# Altium PCB NURIP.PcbDoc (part 13 of 14) (continued)
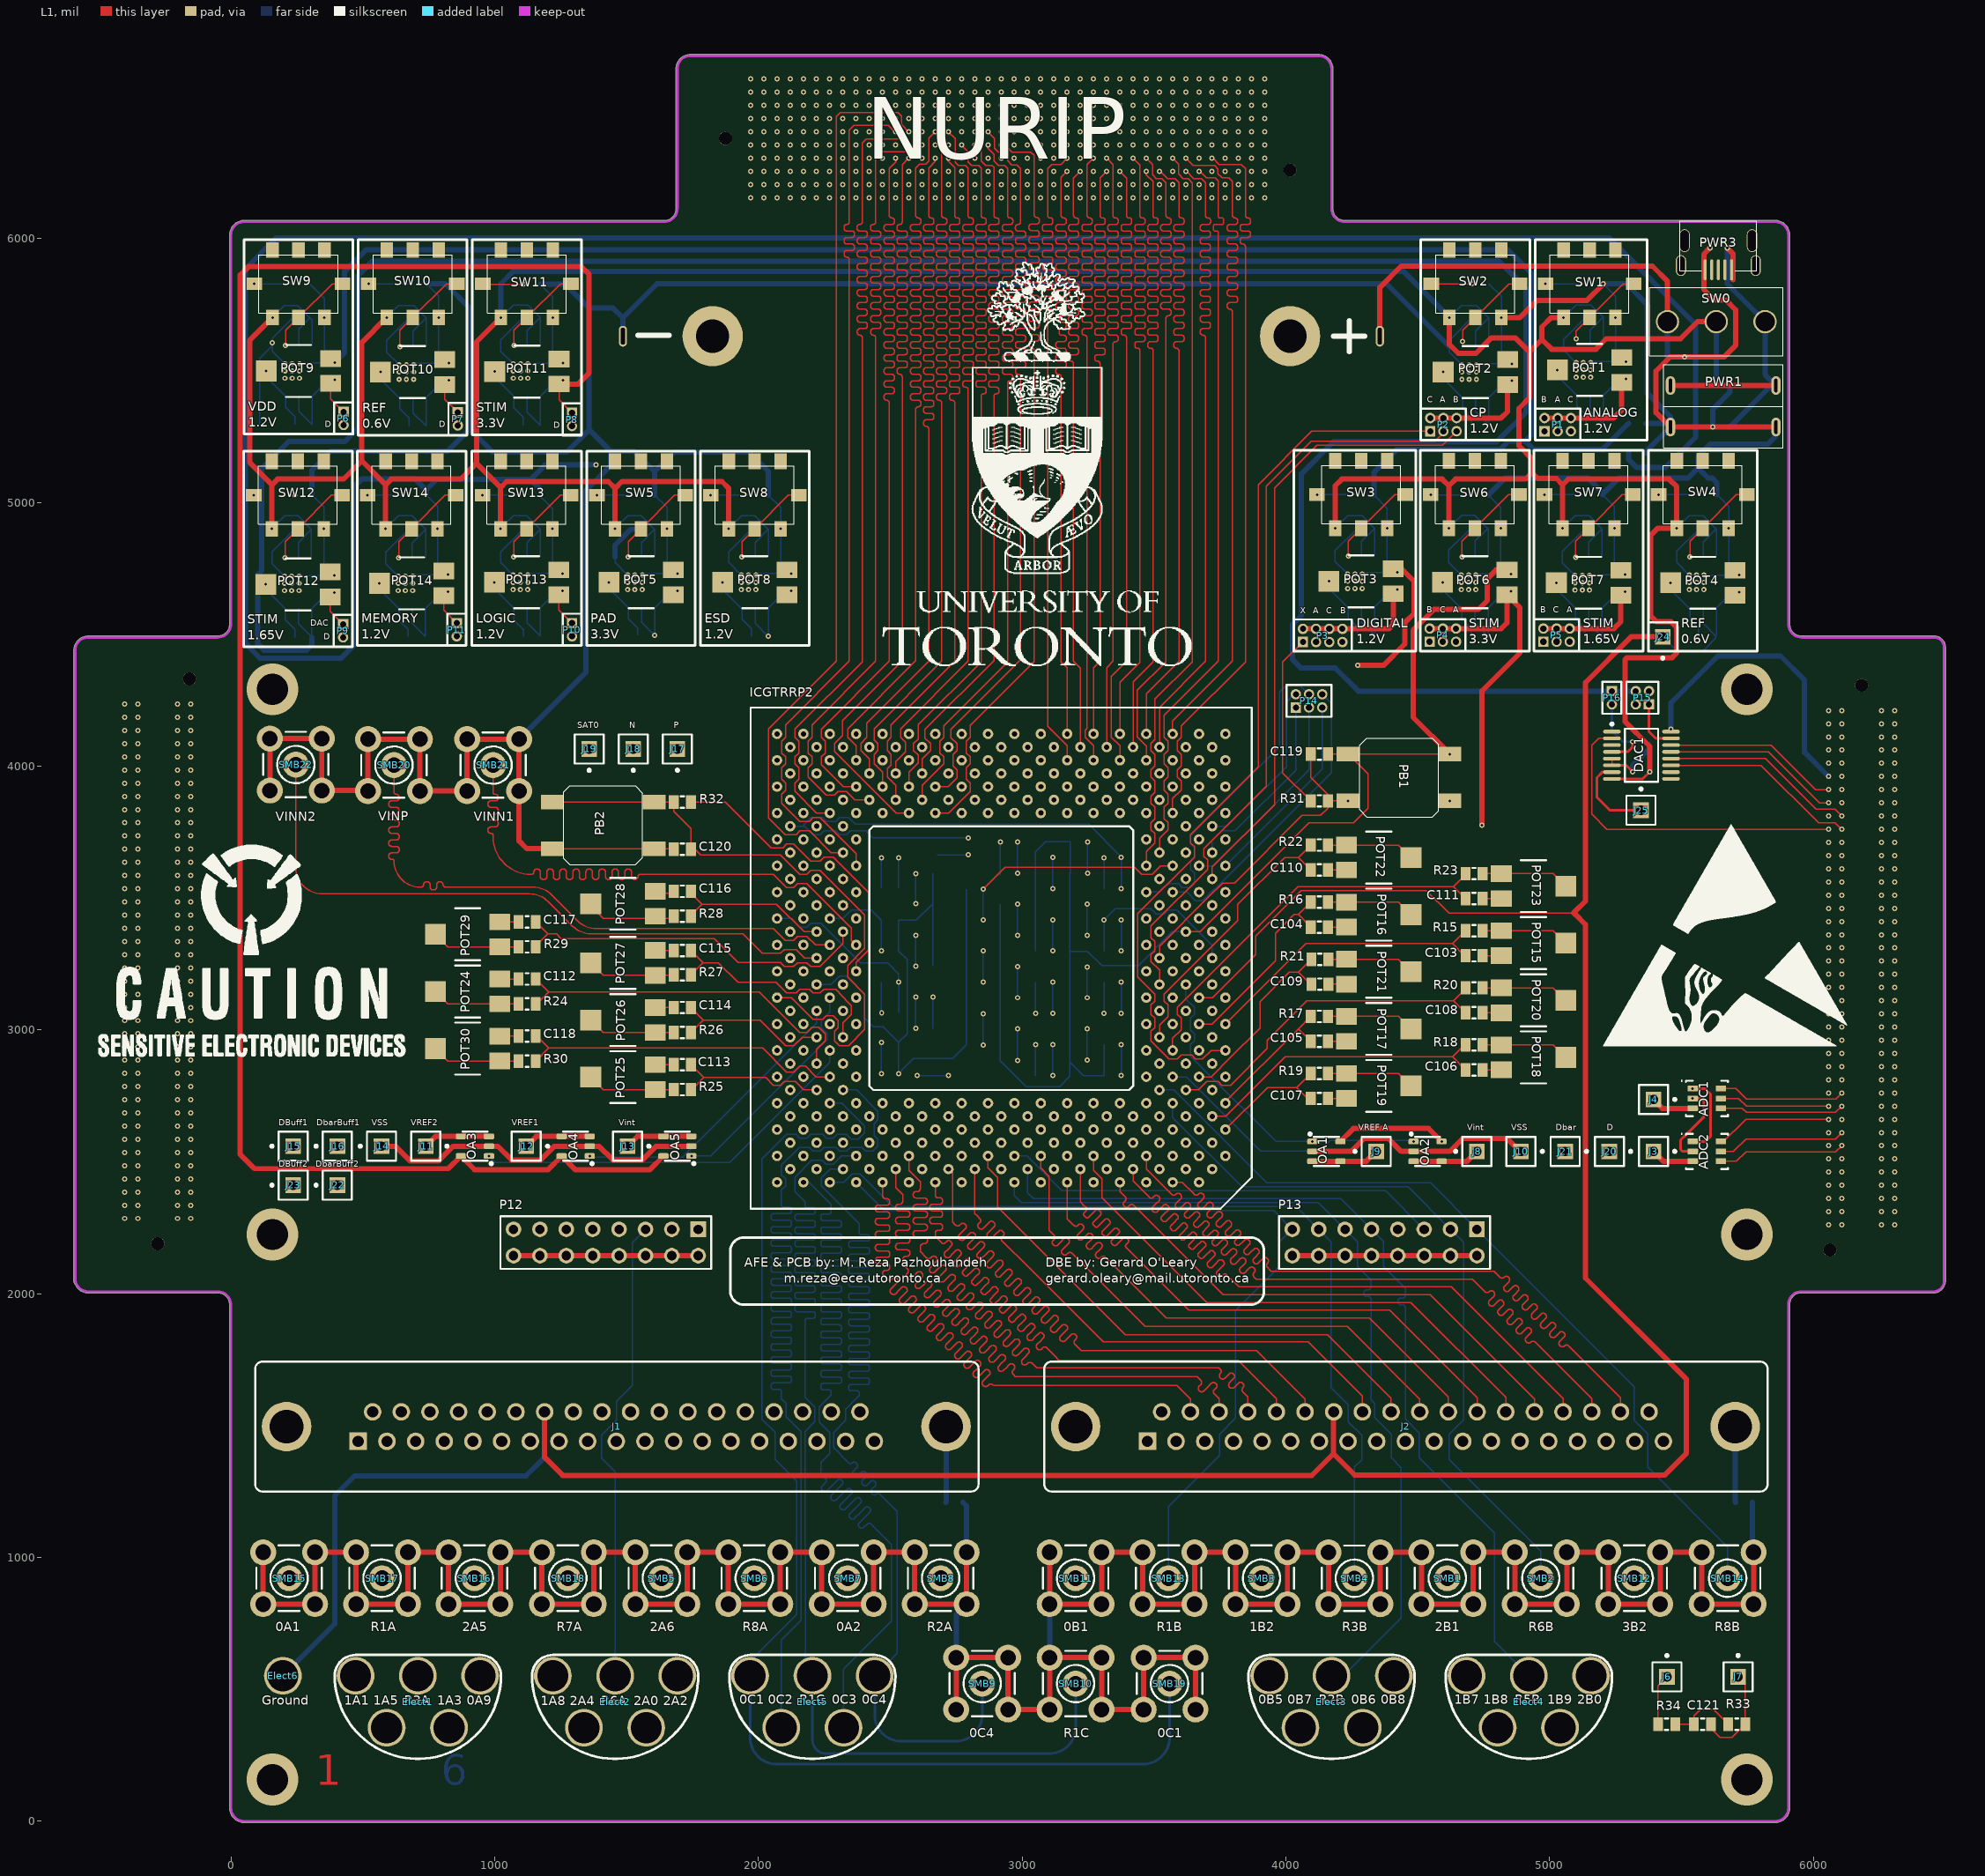
[diagram p0: L1 view]
## Nets (pads, with @x,y where several pads share a name; then routed paths per layer and width w, separated by ;. In a path a pad name is that pad's centre, name@x,y a point inside that pad or via, vN(x,y) a via of type N, cw(c..) or ccw(c..) an arc to the next point about the centre after c; other vN are vias at no path point) (continued)
SH1_WR0_A: FMC3.G12 ICGTRRP2.G35 | length 2694.9
  L4 w5: v1(-202.56,2835.2) -176.42,2809.06 18.26,2809.06 ccw(c18.26,2814.95) 24.15,2814.95 cw(c32.79,2814.95) 32.79,2823.59 40.2,2823.59 cw(c40.2,2814.95) 48.84,2814.95 48.84,2801.95 ccw(c57.48,2801.95) 57.48,2793.31 64.88,2793.31 ccw(c64.88,2801.95) 73.52,2801.95 73.52,2814.95 cw(c82.16,2814.95) 82.16,2823.59 89.57,2823.59 cw(c89.57,2814.95) 98.21,2814.95 98.21,2801.95 ccw(c106.85,2801.95) 106.85,2793.31 114.25,2793.31 ccw(c114.25,2801.95) 122.89,2801.95 122.89,2816.16 cw(c131.53,2816.16) 131.53,2824.8 138.94,2824.8 cw(c138.94,2816.16) 147.58,2816.16 147.58,2801.95 ccw(c156.22,2801.95) 156.22,2793.31 163.62,2793.31 ccw(c163.62,2801.95) 172.26,2801.95 172.26,2816.16 cw(c180.9,2816.16) 180.9,2824.8 188.31,2824.8 cw(c188.31,2816.16) 196.95,2816.16 196.95,2801.95 ccw(c205.59,2801.95) 205.59,2793.31 212.99,2793.31 ccw(c212.99,2801.95) 221.63,2801.95 221.63,2816.16 cw(c230.27,2816.16) 230.27,2824.8 237.68,2824.8 cw(c237.68,2816.16) 246.32,2816.16 246.32,2801.95 ccw(c254.96,2801.95) 254.96,2793.31 262.36,2793.31 ccw(c262.36,2801.95) 271,2801.95 271,2816.16 cw(c279.64,2816.16) 279.64,2824.8 287.05,2824.8 cw(c287.05,2816.16) 295.69,2816.16 295.69,2801.95 ccw(c304.33,2801.95) 304.33,2793.31 311.73,2793.31 ccw(c311.73,2801.95) 320.37,2801.95 320.37,2816.16 cw(c329.01,2816.16) 329.01,2824.8 336.42,2824.8 cw(c336.42,2816.16) 345.06,2816.16 345.06,2801.95 ccw(c353.7,2801.95) 353.7,2793.31 361.1,2793.31 ccw(c361.1,2801.95) 369.74,2801.95 369.74,2816.16 cw(c378.38,2816.16) 378.38,2824.8 385.79,2824.8 cw(c385.79,2816.16) 394.43,2816.16 394.43,2801.95 ccw(c403.07,2801.95) 403.07,2793.31 410.47,2793.31 ccw(c410.47,2801.95) 419.11,2801.95 cw(c426.22,2801.95) 426.22,2809.06 1858.27,2809.06 1945.12,2722.2 ICGTRRP2.G35@2070.71,2722.2
SH1_WR0_B: FMC3.G15 ICGTRRP2.J35 | length 2700.3
  L4 w5: v1(-202.56,2985.2) -177.99,2960.63 18.28,2960.63 ccw(c18.28,2966.5) 24.15,2966.5 cw(c34.03,2966.5) 34.03,2976.38 38.96,2976.38 cw(c38.96,2966.5) 48.84,2966.5 48.84,2954.89 ccw(c58.71,2954.89) 58.71,2945.02 63.65,2945.02 ccw(c63.65,2954.89) 73.52,2954.89 73.52,2966.37 cw(c83.4,2966.37) 83.4,2976.24 88.33,2976.24 cw(c88.33,2966.37) 98.21,2966.37 98.21,2954.89 ccw(c108.08,2954.89) 108.08,2945.02 113.02,2945.02 ccw(c113.02,2954.89) 122.89,2954.89 122.89,2966.37 cw(c132.77,2966.37) 132.77,2976.24 137.7,2976.24 cw(c137.7,2966.37) 147.58,2966.37 147.58,2954.89 ccw(c157.45,2954.89) 157.45,2945.02 162.39,2945.02 ccw(c162.39,2954.89) 172.26,2954.89 172.26,2966.37 cw(c182.14,2966.37) 182.14,2976.24 187.07,2976.24 cw(c187.07,2966.37) 196.95,2966.37 196.95,2954.89 ccw(c206.82,2954.89) 206.82,2945.02 211.76,2945.02 ccw(c211.76,2954.89) 221.63,2954.89 221.63,2966.37 cw(c231.51,2966.37) 231.51,2976.24 236.44,2976.24 cw(c236.44,2966.37) 246.32,2966.37 246.32,2954.89 ccw(c256.19,2954.89) 256.19,2945.02 261.13,2945.02 ccw(c261.13,2954.89) 271,2954.89 271,2966.37 cw(c280.88,2966.37) 280.88,2976.24 285.81,2976.24 cw(c285.81,2966.37) 295.69,2966.37 295.69,2954.89 ccw(c305.56,2954.89) 305.56,2945.02 310.5,2945.02 ccw(c310.5,2954.89) 320.37,2954.89 320.37,2966.37 cw(c330.25,2966.37) 330.25,2976.24 335.18,2976.24 cw(c335.18,2966.37) 345.06,2966.37 345.06,2954.89 ccw(c354.93,2954.89) 354.93,2945.02 359.87,2945.02 ccw(c359.87,2954.89) 369.74,2954.89 369.74,2966.37 cw(c379.62,2966.37) 379.62,2976.24 384.55,2976.24 cw(c384.55,2966.37) 394.43,2966.37 394.43,2954.89 ccw(c404.3,2954.89) 404.3,2945.02 409.24,2945.02 ccw(c409.24,2954.89) 419.11,2954.76 ; ICGTRRP2.J35@2070.71,2822.2 1990.79,2822.2 1852.36,2960.63 424.99,2960.63 ccw(c424.99,2954.76) 419.11,2954.88 ; 419.11,2954.76 ccw(c409.24,2954.89) 419.11,2954.88 ; 419.11,2954.76 cw(c424.99,2954.76) 419.11,2954.88 ; 419.11,2954.76 419.11,2954.88
SPI_CLK_D: FMC3.G28 ICGTRRP2.V34 | length 2709.5
  L4 w5: v1(-202.56,3635.2) -175.06,3607.7 -107.7,3607.7 -98.43,3598.43 17.05,3598.43 ccw(c17.05,3605.53) 24.15,3605.53 cw(c32.79,3605.53) 32.79,3614.17 40.2,3614.17 cw(c40.2,3605.53) 48.84,3605.53 48.84,3591.72 ccw(c57.48,3591.72) 57.48,3583.08 64.88,3583.08 ccw(c64.88,3591.72) 73.52,3591.72 73.52,3605.13 cw(c82.16,3605.13) 82.16,3613.77 89.57,3613.77 cw(c89.57,3605.13) 98.21,3605.13 98.21,3591.72 ccw(c106.85,3591.72) 106.85,3583.08 114.25,3583.08 ccw(c114.25,3591.72) 122.89,3591.72 122.89,3605.13 cw(c131.53,3605.13) 131.53,3613.77 138.94,3613.77 cw(c138.94,3605.13) 147.58,3605.13 147.58,3591.72 ccw(c156.22,3591.72) 156.22,3583.08 163.62,3583.08 ccw(c163.62,3591.72) 172.26,3591.72 172.26,3605.13 cw(c180.9,3605.13) 180.9,3613.77 188.31,3613.77 cw(c188.31,3605.13) 196.95,3605.13 196.95,3591.72 ccw(c205.59,3591.72) 205.59,3583.08 212.99,3583.08 ccw(c212.99,3591.72) 221.63,3591.72 221.63,3605.13 cw(c230.27,3605.13) 230.27,3613.77 237.68,3613.77 cw(c237.68,3605.13) 246.32,3605.13 246.32,3591.72 ccw(c254.96,3591.72) 254.96,3583.08 262.36,3583.08 ccw(c262.36,3591.72) 271,3591.36 ; ICGTRRP2.V34@2120.71,3272.2 2108.56,3284.36 2099.22,3275.02 2030.1,3275.02 1706.69,3598.43 278.11,3598.43 ccw(c278.11,3591.32) 271.01,3591.68 ; 271,3591.36 ccw(c262.36,3591.72) 271,3591.68 ; 271,3591.36 cw(c278.11,3591.32) 271.01,3591.68 ; 271,3591.36 271,3591.68
SPI_DATA_D: FMC3.H26 ICGTRRP2.U35 | length 2700.3
  L4 w5: v1(-152.56,3535.2) -137.05,3519.69 19.98,3519.69 ccw(c19.98,3523.86) 24.15,3523.86 cw(c32.79,3523.86) 32.79,3532.5 40.2,3532.5 cw(c40.2,3523.86) 48.84,3523.86 48.84,3512.71 ccw(c57.48,3512.71) 57.48,3504.07 64.88,3504.07 ccw(c64.88,3512.71) 73.52,3512.71 73.52,3523.73 cw(c82.16,3523.73) 82.16,3532.37 89.57,3532.37 cw(c89.57,3523.73) 98.21,3523.73 98.21,3512.71 ccw(c106.85,3512.71) 106.85,3504.07 114.25,3504.07 ccw(c114.25,3512.71) 122.89,3512.71 122.89,3523.73 cw(c131.53,3523.73) 131.53,3532.37 138.94,3532.37 cw(c138.94,3523.73) 147.58,3523.73 147.58,3512.71 ccw(c156.22,3512.71) 156.22,3504.07 163.62,3504.07 ccw(c163.62,3512.71) 172.26,3512.71 172.26,3523.73 cw(c180.9,3523.73) 180.9,3532.37 188.31,3532.37 cw(c188.31,3523.73) 196.95,3523.73 196.95,3512.71 ccw(c205.59,3512.71) 205.59,3504.07 212.99,3504.07 ccw(c212.99,3512.71) 221.63,3512.71 221.63,3523.73 cw(c230.27,3523.73) 230.27,3532.37 237.68,3532.37 cw(c237.68,3523.73) 246.32,3523.73 246.32,3512.71 ccw(c254.96,3512.71) 254.96,3504.07 262.36,3504.07 ccw(c262.36,3512.71) 271,3512.71 271,3526.66 cw(c279.64,3526.66) 279.64,3535.3 287.05,3535.3 cw(c287.05,3526.66) 295.69,3526.66 295.69,3512.71 ccw(c304.33,3512.71) 304.33,3504.07 311.73,3504.07 ccw(c311.73,3512.71) 320.37,3512.71 320.37,3526.66 cw(c329.01,3526.66) 329.01,3535.3 336.42,3535.3 cw(c336.42,3526.66) 345.06,3526.66 345.06,3512.71 ccw(c353.7,3512.71) 353.7,3504.07 361.1,3504.07 ccw(c361.1,3512.71) 369.74,3512.71 369.74,3526.66 cw(c378.38,3526.66) 378.38,3535.3 385.79,3535.3 cw(c385.79,3526.66) 394.43,3526.66 394.43,3512.71 ccw(c403.07,3512.71) 403.07,3504.07 410.47,3504.07 ccw(c410.47,3512.71) 419.11,3512.59 ; ICGTRRP2.U35@2070.71,3222.2 2017.95,3222.2 1720.47,3519.69 426.22,3519.69 ccw(c426.22,3512.58) 419.11,3512.7 ; 419.11,3512.59 ccw(c410.47,3512.71) 419.11,3512.7 ; 419.11,3512.58 cw(c426.22,3512.58) 419.11,3512.7 ; 419.11,3512.59 419.11,3512.7
SPI_LOAD_D: FMC3.G27 ICGTRRP2.U33 | length 2701
  L4 w5: v1(-202.56,3585.2) -175.06,3557.7 17.39,3557.7 ccw(c17.39,3564.46) 24.15,3564.46 cw(c32.79,3564.46) 32.79,3573.1 40.2,3573.1 cw(c40.2,3564.46) 48.84,3564.46 48.84,3551.12 ccw(c57.48,3551.12) 57.48,3542.48 64.88,3542.48 ccw(c64.88,3551.12) 73.52,3551.12 73.52,3563.92 cw(c82.16,3563.92) 82.16,3572.56 89.57,3572.56 cw(c89.57,3563.92) 98.21,3563.92 98.21,3551.12 ccw(c106.85,3551.12) 106.85,3542.48 114.25,3542.48 ccw(c114.25,3551.12) 122.89,3551.12 122.89,3563.92 cw(c131.53,3563.92) 131.53,3572.56 138.94,3572.56 cw(c138.94,3563.92) 147.58,3563.92 147.58,3551.12 ccw(c156.22,3551.12) 156.22,3542.48 163.62,3542.48 ccw(c163.62,3551.12) 172.26,3551.12 172.26,3563.92 cw(c180.9,3563.92) 180.9,3572.56 188.31,3572.56 cw(c188.31,3563.92) 196.95,3563.92 196.95,3551.12 ccw(c205.59,3551.12) 205.59,3542.48 212.99,3542.48 ccw(c212.99,3551.12) 221.63,3551.12 ; 221.63,3550.59 cw(c228.74,3550.59) 228.74,3557.7 1714.84,3557.7 2012.51,3260.02 2078.56,3260.02 2116.38,3222.2 ICGTRRP2.U33@2170.71,3222.2 ; 221.63,3550.66 221.63,3551.06
STIM_CLK: FMC2.G18 ICGTRRP2.W5 | length 2850.2
  L4 w5: ICGTRRP2.W5@3570.71,3322.2 3570.71,3367.72 3607.38,3404.39 3643.01,3404.39 3657.38,3390.02 3684.04,3390.02 3698.41,3404.39 3743.01,3404.39 3760.19,3387.2 3856.89,3387.2 3872.05,3372.05 5580.69,3372.05 ccw(c5580.69,3376.49) 5585.14,3376.49 cw(c5593.78,3376.49) 5593.78,3385.13 5601.18,3385.13 cw(c5601.18,3376.49) 5609.82,3376.49 5609.82,3366.57 ccw(c5618.46,3366.57) 5618.46,3357.93 5625.87,3357.93 ccw(c5625.87,3366.57) 5634.51,3366.57 5634.51,3376.49 cw(c5643.15,3376.49) 5643.15,3385.13 5650.55,3385.13 cw(c5650.55,3376.49) 5659.19,3376.49 5659.19,3366.57 ccw(c5667.83,3366.57) 5667.83,3357.93 5675.24,3357.93 ccw(c5675.24,3366.57) 5683.88,3366.57 5683.88,3376.49 cw(c5692.52,3376.49) 5692.52,3385.13 5699.92,3385.13 cw(c5699.92,3376.49) 5708.56,3376.49 5708.56,3366.57 ccw(c5717.2,3366.57) 5717.2,3357.93 5724.61,3357.93 ccw(c5724.61,3366.57) 5733.25,3366.57 5733.25,3376.49 cw(c5741.89,3376.49) 5741.89,3385.13 5749.29,3385.13 cw(c5749.29,3376.49) 5757.93,3376.49 5757.93,3366.57 ccw(c5766.57,3366.57) 5766.57,3357.93 5773.98,3357.93 ccw(c5773.98,3366.57) 5782.62,3366.57 5782.62,3376.49 cw(c5791.26,3376.49) 5791.26,3385.13 5798.66,3385.13 cw(c5798.66,3376.49) 5807.3,3376.49 5807.3,3366.57 ccw(c5815.94,3366.57) 5815.94,3357.93 5823.35,3357.93 ccw(c5823.35,3366.57) 5831.99,3366.57 5831.99,3376.49 cw(c5840.63,3376.49) 5840.63,3385.13 5848.03,3385.13 cw(c5848.03,3376.49) 5856.67,3376.49 ccw(c5861.12,3376.49) 5861.12,3372.05 6013.78,3372.05 6025.1,3383.37 6085.57,3383.37 v1(6108.07,3360.87)
STIM_DATA_D: FMC3.H10 ICGTRRP2.E35 | length 2700.2
  L4 w5: v1(-152.56,2735.2) 24.15,2735.2 cw(c34.03,2735.2) 34.03,2745.07 38.96,2745.07 cw(c38.96,2735.2) 48.84,2735.2 48.84,2729.41 ccw(c58.71,2729.41) 58.71,2719.54 63.65,2719.54 ccw(c63.65,2729.41) 73.52,2729.41 73.52,2735.2 cw(c83.4,2735.2) 83.4,2745.07 88.33,2745.07 cw(c88.33,2735.2) 98.21,2735.2 98.21,2729.41 ccw(c108.08,2729.41) 108.08,2719.54 113.02,2719.54 ccw(c113.02,2729.41) 122.89,2729.41 122.89,2735.2 cw(c132.77,2735.2) 132.77,2745.07 137.7,2745.07 cw(c137.7,2735.2) 147.58,2735.2 147.58,2729.41 ccw(c157.45,2729.41) 157.45,2719.54 162.39,2719.54 ccw(c162.39,2729.41) 172.26,2729.41 172.26,2735.2 cw(c182.14,2735.2) 182.14,2745.07 187.07,2745.07 cw(c187.07,2735.2) 196.95,2735.2 196.95,2729.41 ccw(c206.82,2729.41) 206.82,2719.54 211.76,2719.54 ccw(c211.76,2729.41) 221.63,2729.41 221.63,2735.2 cw(c231.51,2735.2) 231.51,2745.07 236.44,2745.07 cw(c236.44,2735.2) 246.32,2735.2 246.32,2729.41 ccw(c256.19,2729.41) 256.19,2719.54 261.13,2719.54 ccw(c261.13,2729.41) 271,2729.41 271,2735.2 cw(c280.88,2735.2) 280.88,2745.07 285.81,2745.07 cw(c285.81,2735.2) 295.69,2735.2 295.69,2729.41 ccw(c305.56,2729.41) 305.56,2719.54 310.5,2719.54 ccw(c310.5,2729.41) 320.37,2729.41 320.37,2735.2 cw(c330.25,2735.2) 330.25,2745.07 335.18,2745.07 cw(c335.18,2735.2) 345.06,2735.2 345.06,2729.41 ccw(c354.93,2729.41) 354.93,2719.54 359.87,2719.54 ccw(c359.87,2729.41) 369.74,2729.41 369.74,2735.2 cw(c379.62,2735.2) 379.62,2745.07 384.55,2745.07 cw(c384.55,2735.2) 394.43,2735.2 394.43,2729.41 ccw(c404.3,2729.41) 404.3,2719.54 409.24,2719.54 ccw(c409.24,2729.41) 419.11,2729.41 419.11,2735.2 cw(c428.99,2735.2) 428.99,2745.07 433.92,2745.07 cw(c433.92,2735.2) 443.8,2735.2 443.8,2729.41 ccw(c453.67,2729.41) 453.67,2719.54 458.61,2719.54 ccw(c458.61,2729.41) 468.48,2729.41 468.48,2735.2 cw(c478.36,2735.2) 478.36,2745.07 483.29,2745.07 cw(c483.29,2735.2) 493.17,2735.2 493.17,2729.41 ccw(c503.04,2729.41) 503.04,2719.54 507.98,2719.54 ccw(c507.98,2729.41) 517.85,2729.41 517.85,2740.98 cw(c527.73,2740.98) 527.73,2750.86 532.66,2750.86 cw(c532.66,2740.98) 542.54,2740.98 542.54,2729.41 ccw(c552.41,2729.41) 552.41,2719.54 557.35,2719.54 ccw(c557.35,2729.41) 567.22,2729.41 567.22,2740.98 cw(c577.1,2740.98) 577.1,2750.86 582.03,2750.86 cw(c582.03,2740.98) 591.91,2740.98 591.91,2729.41 ccw(c601.78,2729.41) 601.78,2719.54 606.72,2719.54 ccw(c606.72,2729.41) 616.59,2729.32 ; ICGTRRP2.E35@2070.71,2622.2 1976.22,2622.2 1863.23,2735.2 622.47,2735.2 ccw(c622.47,2729.32) 616.59,2729.41 ; 616.59,2729.32 cw(c622.47,2729.32) 616.59,2729.41 ; 616.59,2729.32 ccw(c606.72,2729.41) 616.59,2729.41 ; 616.59,2729.32 616.59,2729.41
STIM_GND: C24.1 C25.1 LDO7.1 LDO7.2 P5.2 P5.4 P5.6 POT7.3 | length 753.7
  L1 w20: P5.2@4976.38,4521.65 P5.4@5026.38,4521.65 P5.6@5076.38,4521.65 5244.09,4521.65 5269.69,4547.24 POT7.3@5269.69,4647.64
  L6 w5: LDO7.2@5149.02,4598.43 5149.02,4540.35 5199.02,4490.35 5199.02,4598.43 5262.01,4661.42 v1(5285.43,4661.42)
STIM_GND_A: C59.1 C60.1 ICGTRRP2.R1 P5.5 | length 3095.9
  L2 w5: ICGTRRP2.R1@3770.71,3122.2 3854.33,3205.83 3854.33,3541.34 4655.51,4342.52 4947.24,4342.52 P5.5@5076.38,4471.65
  L3 w5: v1(2982.28,3240.16) 3002.81,3260.69 3255.38,3260.69 3275.91,3240.16 3388.39,3240.16 3438.52,3190.02 3493.01,3190.02 3507.38,3204.39 3534.04,3204.39 3548.41,3190.02 3593.01,3190.02 3607.38,3204.39 3634.04,3204.39 3648.41,3190.02 3693.01,3190.02 3707.38,3204.39 3734.04,3204.39 3752.89,3185.54 3752.89,3140.02 ICGTRRP2.R1@3770.71,3122.2
  L6 w5: v1(2982.28,3122.05) v1(2982.28,3240.16)
STIM_GND_B: C61.1 C62.1 ICGTRRP2.W1 P5.1 | length 2818.7
  L2 w5: ICGTRRP2.W1@3770.71,3322.2 3770.71,3357.83 3802.89,3390.02 3802.89,3637.54 4562.99,4397.64 4902.36,4397.64 P5.1@4976.38,4471.65
  L3 w5: v1(3116.14,3535.43) 3116.14,3521.65 3283.41,3354.39 3484.04,3354.39 3498.41,3340.02 3541.57,3340.02 3605.94,3404.39 3634.04,3404.39 3655.51,3382.92 3685.91,3382.92 3707.38,3404.39 3741.28,3404.39 3770.71,3374.96 ICGTRRP2.W1@3770.71,3322.2
  L6 w5: v1(3116.14,3535.43) v1(3116.14,3653.54)
STIM_GND_C: C63.1 C64.1 ICGTRRP2.U3 P5.3 | length 2985.2
  L2 w5: ICGTRRP2.U3@3670.71,3222.2 3725.19,3222.2 3757.38,3190.02 3798.29,3190.02 3832.68,3224.41 3832.68,3576.77 4633.86,4377.95 4939.73,4377.95 5026.38,4464.61 P5.3@5026.38,4471.65
  L3 w5: v1(2982.28,3358.27) 3064.86,3275.69 3450.49,3275.69 3451.16,3275.02 3472.38,3275.02 3507.38,3240.02 3534.04,3240.02 3548.41,3254.39 3588.52,3254.39 3602.89,3240.02 3652.89,3240.02 ICGTRRP2.U3@3670.71,3222.2
  L6 w5: v1(2982.28,3358.27) v1(2982.28,3476.38)
STIM_GND_D: C85.1 C86.1 ICGTRRP2.U31 P9.2 | length 3065
  L2 w5: P9.2@425.2,4488.19 574.8,4488.19 687.01,4600.39 972.44,4600.39 1281.5,4291.34 1281.5,4049.21 1326.77,4003.94 1443.46,4003.94 2225.19,3222.2 ICGTRRP2.U31@2270.71,3222.2
  L5 w5: ICGTRRP2.U31@2270.71,3222.2 2288.52,3240.02 2334.04,3240.02 2348.41,3254.39 2584.19,3254.39 v1(2596.46,3242.13)
  L6 w5: v1(2596.46,3242.13) v1(2596.46,3358.27)
STIM_IN: FMC2.G12 ICGTRRP2.AB6 | length 2852.2
  L4 w5: ICGTRRP2.AB6@3520.71,3472.2 3520.71,3520.71 3654.39,3654.39 3684.04,3654.39 3698.41,3640.02 3734.04,3640.02 3757.41,3663.39 3812.99,3663.39 3822.83,3673.23 5728.61,3673.23 ccw(c5728.61,3677.87) 5733.25,3677.87 cw(c5744.36,3677.87) 5744.36,3688.98 5746.83,3688.98 cw(c5746.83,3677.87) 5757.93,3677.87 5757.93,3668.59 ccw(c5769.04,3668.59) 5769.04,3657.48 5771.51,3657.48 ccw(c5771.51,3668.59) 5782.62,3668.59 5782.62,3677.87 cw(c5793.73,3677.87) 5793.73,3688.98 5796.2,3688.98 cw(c5796.2,3677.87) 5807.3,3677.87 5807.3,3668.59 ccw(c5818.41,3668.59) 5818.41,3657.48 5820.88,3657.48 ccw(c5820.88,3668.59) 5831.99,3668.59 5831.99,3677.87 cw(c5843.1,3677.87) 5843.1,3688.98 5845.57,3688.98 cw(c5845.57,3677.87) 5856.67,3677.87 5856.67,3668.59 ccw(c5867.78,3668.59) 5867.78,3657.48 5870.25,3657.48 ccw(c5870.25,3668.59) 5881.36,3668.59 cw(c5886,3668.59) 5886,3673.23 6013.78,3673.23 6023.92,3683.37 6085.57,3683.37 v1(6108.07,3660.87)
STIM_LOAD: FMC2.G15 ICGTRRP2.AB4 | length 2853.3
  L4 w5: ICGTRRP2.AB4@3620.71,3472.2 3675.19,3472.2 3707.38,3504.39 3734.04,3504.39 3748.27,3490.16 3757.24,3490.16 3757.38,3490.02 3830.57,3490.02 3862.2,3521.65 5505.21,3521.65 cw(c5505.21,3515.78) 5511.08,3515.96 ; v1(6108.07,3510.87) 6085.57,3533.37 6025.49,3533.37 6013.78,3521.65 5887.23,3521.65 ccw(c5887.23,3515.78) 5881.36,3515.78 cw(c5871.48,3515.78) 5871.48,3505.91 5866.55,3505.91 cw(c5866.55,3515.78) 5856.67,3515.78 5856.67,3526.21 ccw(c5846.8,3526.21) 5846.8,3536.08 5841.86,3536.08 ccw(c5841.86,3526.21) 5831.99,3526.21 5831.99,3515.98 cw(c5822.11,3515.98) 5822.11,3506.1 5817.18,3506.1 cw(c5817.18,3515.98) 5807.3,3515.98 5807.3,3526.21 ccw(c5797.43,3526.21) 5797.43,3536.08 5792.49,3536.08 ccw(c5792.49,3526.21) 5782.62,3526.21 5782.62,3515.98 cw(c5772.74,3515.98) 5772.74,3506.1 5767.81,3506.1 cw(c5767.81,3515.98) 5757.93,3515.98 5757.93,3526.21 ccw(c5748.06,3526.21) 5748.06,3536.08 5743.12,3536.08 ccw(c5743.12,3526.21) 5733.25,3526.21 5733.25,3515.98 cw(c5723.37,3515.98) 5723.37,3506.1 5718.44,3506.1 cw(c5718.44,3515.98) 5708.56,3515.98 5708.56,3526.21 ccw(c5698.69,3526.21) 5698.69,3536.08 5693.75,3536.08 ccw(c5693.75,3526.21) 5683.88,3526.21 5683.88,3515.98 cw(c5674,3515.98) 5674,3506.1 5669.07,3506.1 cw(c5669.07,3515.98) 5659.19,3515.98 5659.19,3526.21 ccw(c5649.32,3526.21) 5649.32,3536.08 5644.38,3536.08 ccw(c5644.38,3526.21) 5634.51,3526.21 5634.51,3515.98 cw(c5624.63,3515.98) 5624.63,3506.1 5619.7,3506.1 cw(c5619.7,3515.98) 5609.82,3515.98 5609.82,3526.21 ccw(c5599.95,3526.21) 5599.95,3536.08 5595.01,3536.08 ccw(c5595.01,3526.21) 5585.14,3526.21 5585.14,3515.98 cw(c5575.26,3515.98) 5575.26,3506.1 5570.33,3506.1 cw(c5570.33,3515.98) 5560.45,3515.98 5560.45,3526.21 ccw(c5550.58,3526.21) 5550.58,3536.08 5545.64,3536.08 ccw(c5545.64,3526.21) 5535.77,3526.21 5535.77,3515.98 cw(c5525.89,3515.98) 5525.89,3506.1 5520.96,3506.1 cw(c5520.96,3515.98) 5511.09,3515.79 ; 5511.08,3515.79 ccw(c5505.21,3515.78) 5511.08,3515.96 ; 5511.09,3515.79 cw(c5520.96,3515.98) 5511.08,3515.96 ; 5511.08,3515.79 5511.08,3515.96
STIM_LOAD_D: FMC3.H11 ICGTRRP2.F34 | length 2700.2
  L4 w5: v1(-152.56,2785.2) -137.05,2769.68 19.83,2769.68 ccw(c19.83,2774.01) 24.15,2774.01 cw(c34.03,2774.01) 34.03,2783.89 38.96,2783.89 cw(c38.96,2774.01) 48.84,2774.01 48.84,2763.87 ccw(c58.71,2763.87) 58.71,2754 63.65,2754 ccw(c63.65,2763.87) 73.52,2763.87 73.52,2773.95 cw(c83.4,2773.95) 83.4,2783.82 88.33,2783.82 cw(c88.33,2773.95) 98.21,2773.95 98.21,2763.87 ccw(c108.08,2763.87) 108.08,2754 113.02,2754 ccw(c113.02,2763.87) 122.89,2763.87 122.89,2773.95 cw(c132.77,2773.95) 132.77,2783.82 137.7,2783.82 cw(c137.7,2773.95) 147.58,2773.95 147.58,2763.87 ccw(c157.45,2763.87) 157.45,2754 162.39,2754 ccw(c162.39,2763.87) 172.26,2763.87 172.26,2773.95 cw(c182.14,2773.95) 182.14,2783.82 187.07,2783.82 cw(c187.07,2773.95) 196.95,2773.95 196.95,2763.87 ccw(c206.82,2763.87) 206.82,2754 211.76,2754 ccw(c211.76,2763.87) 221.63,2763.87 221.63,2773.95 cw(c231.51,2773.95) 231.51,2783.82 236.44,2783.82 cw(c236.44,2773.95) 246.32,2773.95 246.32,2763.87 ccw(c256.19,2763.87) 256.19,2754 261.13,2754 ccw(c261.13,2763.87) 271,2763.87 271,2773.95 cw(c280.88,2773.95) 280.88,2783.82 285.81,2783.82 cw(c285.81,2773.95) 295.69,2773.95 295.69,2763.87 ccw(c305.56,2763.87) 305.56,2754 310.5,2754 ccw(c310.5,2763.87) 320.37,2763.87 320.37,2773.95 cw(c330.25,2773.95) 330.25,2783.82 335.18,2783.82 cw(c335.18,2773.95) 345.06,2773.95 345.06,2763.87 ccw(c354.93,2763.87) 354.93,2754 359.87,2754 ccw(c359.87,2763.87) 369.74,2763.87 369.74,2773.95 cw(c379.62,2773.95) 379.62,2783.82 384.55,2783.82 cw(c384.55,2773.95) 394.43,2773.95 394.43,2763.87 ccw(c404.3,2763.87) 404.3,2754 409.24,2754 ccw(c409.24,2763.87) 419.11,2763.87 419.11,2773.95 cw(c428.99,2773.95) 428.99,2783.82 433.92,2783.82 cw(c433.92,2773.95) 443.8,2773.95 443.8,2763.87 ccw(c453.67,2763.87) 453.67,2754 458.61,2754 ccw(c458.61,2763.87) 468.48,2763.81 ; ICGTRRP2.F34@2120.71,2672.2 1959.69,2672.2 1862.2,2769.68 474.36,2769.68 ccw(c474.36,2763.81) 468.48,2763.87 ; 468.48,2763.81 ccw(c458.61,2763.87) 468.48,2763.87 ; 468.48,2763.81 cw(c474.36,2763.81) 468.48,2763.87 ; 468.48,2763.81 468.48,2763.87
SYSTEM_DONE: FMC1.J21 ICGTRRP2.AP18 | length 2153.2
  L5 w5: ICGTRRP2.AP18@2920.71,4072.2 2920.71,4397.09 2946.85,4423.23 2946.85,6181.54 v1(2970.24,6204.92)
TEST_MODE: FMC1.C15 ICGTRRP2.AD6 | length 3964.5
  L5 w5: v1(2670.24,6504.92) 2696.81,6531.5 3175.48,6531.5 3192.91,6514.06 3192.91,4769.69 3802.89,4159.7 3802.89,3708.41 3634.51,3540.02 3607.38,3540.02 3590.19,3557.2 3535.71,3557.2 ICGTRRP2.AD6@3520.71,3572.2
TEST_SE: FMC1.D15 ICGTRRP2.AD4 | length 3528.7
  L5 w5: v1(2670.24,6454.92) 2692.74,6432.42 2974.56,6432.42 2992.74,6414.24 2992.74,4645.69 3502.89,4135.54 3502.89,4108.87 3488.52,4094.5 3488.52,4049.91 3502.89,4035.54 3502.89,4008.87 3488.52,3994.5 3488.52,3952.42 3502.89,3938.05 3502.89,3908.87 3488.52,3894.5 3488.52,3858.87 3502.89,3844.5 3502.89,3808.87 3488.52,3794.5 3488.52,3758.87 3502.89,3744.5 3502.89,3699.91 3488.52,3685.54 3488.52,3657.15 3573.46,3572.2 ICGTRRP2.AD4@3620.71,3572.2
TEST_SI1: ICGTRRP2.AC7 P14.4 | length 1229.8
  L6 w5: ICGTRRP2.AC7@3470.71,3522.2 3522.2,3522.2 3554.39,3554.39 3593.01,3554.39 3607.38,3540.02 3638.44,3540.02 3652.89,3554.47 3652.89,3594.5 3638.52,3608.87 3638.52,3638.52 3653.54,3653.54 3653.54,3690.94 3637.8,3706.69 3637.8,3736.22 3976.38,4074.8 3976.38,4281.5 4001.97,4307.09 4053.15,4307.09 P14.4@4087.8,4272.44
TEST_SI2: ICGTRRP2.AC5 P14.6 | length 1128
  L6 w5: ICGTRRP2.AC5@3570.71,3522.2 3625.19,3522.2 3657.38,3490.02 3684.04,3490.02 3727.49,3533.46 3730.31,3533.46 4173.23,3976.38 4173.23,4237.01 P14.6@4137.8,4272.44
TEST_SI3: ICGTRRP2.AH2 P14.2 | length 668.2
  L6 w5: ICGTRRP2.AH2@3720.71,3772.2 3776.14,3772.2 4001.97,3998.03 4001.97,4243.66 4030.75,4272.44 P14.2@4037.8,4272.44
TEST_SO1: ICGTRRP2.AF2 P14.1 | length 711
  L6 w5: ICGTRRP2.AF2@3720.71,3672.2 3720.71,3717.72 3757.38,3754.39 3807.54,3754.39 4037.8,3984.65 P14.1@4037.8,4222.44
TEST_SO2: ICGTRRP2.AE3 P14.3 | length 804.9
  L6 w5: ICGTRRP2.AE3@3670.71,3622.2 3725.19,3622.2 4087.8,3984.81 P14.3@4087.8,4222.44
TEST_SO3: ICGTRRP2.AE1 P14.5 | length 752.3
  L6 w5: ICGTRRP2.AE1@3770.71,3622.2 4137.8,3989.29 P14.5@4137.8,4222.44
VDD_D: C70.1 C71.1 ICGTRRP2.U29 P6.2 R32.2 | length 4823.9
  L1 w5: R32.2@1744.09,3864.17 1874.26,3864.17 2048.41,3690.02 2093.01,3690.02 2107.38,3704.39 2134.04,3704.39 2198.41,3640.02 2234.04,3640.02 2248.41,3654.39 2284.04,3654.39 2417.89,3520.54 2417.89,3302.66 2370.71,3255.47 ICGTRRP2.U29@2370.71,3222.2
  L2 w5: P6.2@427.17,5293.31 852.36,4868.11 852.36,4787.4 1503.94,4135.83 1712.6,4135.83 1974.41,3874.02 1974.41,3830.56 2050.58,3754.39 2084.04,3754.39 2302.89,3535.54 2302.89,3499.91 2288.52,3485.54 2288.52,3458.87 2302.89,3444.5 2302.89,3399.91 2288.52,3385.54 2288.52,3358.87 2302.89,3344.5 2302.89,3299.91 2288.52,3285.54 2288.52,3258.87 2302.89,3244.5 2302.89,3199.91 2288.52,3185.54 2288.52,3158.87 2307.38,3140.02 2338.33,3140.02 2370.71,3172.4 ICGTRRP2.U29@2370.71,3222.2
  L5 w5: ICGTRRP2.U29@2370.71,3222.2 2555.35,3222.2 2596.46,3181.1 v1(2596.46,3124.02)
  L6 w5: v1(2596.46,3005.91) v1(2596.46,3124.02)
VDD_LOG: C88.1 C89.1 LDO13.1 LDO13.2 P10.1 POT13.3 | length 474.3
  L1 w5: POT13.3@1243.11,4649.61 1243.11,4592.32 P10.1@1293.31,4542.13
  L6 w5: LDO13.2@1122.44,4600.39 1122.44,4543.9 1172.44,4493.9 1172.44,4600.39 1237.4,4665.35 v1(1257.87,4665.35)
VDD_LOGIC: C97.1 C98.1 C99.1 C100.1 C101.1 C102.1 ICGTRRP2.AH34 ICGTRRP2.AJ1 ICGTRRP2.AR15 P10.2 | length 4791.3
  L2 w20: P10.2@1293.31,4492.13 1388.12,4492.13 2009.84,3870.4 2009.84,3826.95 2059.9,3776.89 2116.02,3776.89 ICGTRRP2.AH34@2120.71,3772.2
  L3 w5: ICGTRRP2.AH34@2120.71,3772.2 2175.19,3772.2 2207.38,3740.02 2238.52,3740.02 2252.89,3754.39 2284.98,3754.39 2349.35,3690.02 2428.09,3690.02 v1(2466.54,3651.57) ; v1(3375.98,3653.54) 3376.83,3654.39 3493.01,3654.39 3507.38,3640.02 3543.01,3640.02 3707.38,3804.39 3752.89,3804.39 ICGTRRP2.AJ1@3770.71,3822.2
  L5 w5: v1(2795.28,3728.35) 2795.28,3797.24 3070.71,4072.68 ICGTRRP2.AR15@3070.71,4122.2
  L6 w5: ICGTRRP2.AH34@2120.71,3772.2 2166.23,3772.2 ; C102.1@2466.54,3537.4 v1(2466.54,3651.57) ; v1(2795.28,3728.35) C100.1@2677.17,3728.35 2433.07,3728.35 2407.03,3754.39 2348.41,3754.39 2334.04,3740.02 2307.38,3740.02 2293.01,3754.39 2248.41,3754.39 2234.04,3740.02 2207.38,3740.02 2175.19,3772.2 2166.23,3772.2 ; C98.1@3375.83,3652.83 3375.83,3655.67 3251.97,3779.53 2367.87,3779.53 2343.01,3804.39 2307.38,3804.39 2293.01,3790.02 2257.38,3790.02 2243.01,3804.39 2198.41,3804.39 2166.23,3772.2 ; v1(3375.98,3535.43) v1(3375.98,3653.54)
VDD_MEM: C95.1 C96.1 LDO14.1 LDO14.2 P11.1 POT14.3 | length 466.6
  L1 w5: POT14.3@807.09,4645.67 807.09,4591.34 P11.1@856.3,4542.13
  L6 w5: LDO14.2@686.42,4596.46 686.42,4541.93 C96.1@736.22,4492.13 736.42,4492.32 736.42,4596.46 801.38,4661.42 v1(822.83,4661.42)
VDD_MEMORY: C90.1 C91.1 C92.1 C93.1 ICGTRRP2.AA3 ICGTRRP2.W35 P11.2 | length 4538.4
  L2 w20: P11.2@856.3,4492.13 856.3,4442.59 1976.68,3322.2 ICGTRRP2.W35@2070.71,3322.2
  L3 w5: v1(2467.52,3064.96) 2467.52,3070.91 2334.04,3204.39 2307.38,3204.39 2286.06,3183.07 2261.81,3183.07 2240.16,3204.72 2207.71,3204.72 2193.01,3190.02 2157.38,3190.02 2143.01,3204.39 2098.41,3204.39 2084.04,3190.02 2050.14,3190.02 2031.5,3208.66 2031.5,3282.99 ICGTRRP2.W35@2070.71,3322.2 2070.71,3276.69 2107.38,3240.02 2143.01,3240.02 2157.38,3254.39 2184.04,3254.39 2198.41,3240.02 2234.04,3240.02 2248.41,3254.39 2293.01,3254.39 2307.38,3240.02 2343.01,3240.02 2357.38,3254.39 2387.34,3254.39 2492.13,3149.61 2637.8,3149.61 2872.05,3383.86 3102.36,3383.86 3187.01,3299.21 v1(3375.98,3299.21) ; v1(3375.98,3417.32) 3413.05,3454.39 3493.01,3454.39 3507.38,3440.02 3534.04,3440.02 3548.41,3454.39 3593.01,3454.39 3607.38,3440.02 3652.89,3440.02 ICGTRRP2.AA3@3670.71,3422.2
  L6 w5: C91.1@2466.54,3065.95 C90.1@2466.54,3181.1 ; v1(3375.98,3299.21) v1(3375.98,3417.32)